# Altium PCB UCM R1.PcbDoc (part 1 of 2)
Units mm, origin at the board's own origin, x right, y up, seen from the top; angles counter-clockwise.
Board outline 92.33 x 59.27 mm, 4 copper layers (Top Layer, (GND), (PWR), Bottom Layer), stack 1.369 mm thick; 150 components, 87 nets, 457 pads, 182 vias.
Unrouted connection lines stored in the file: 20.
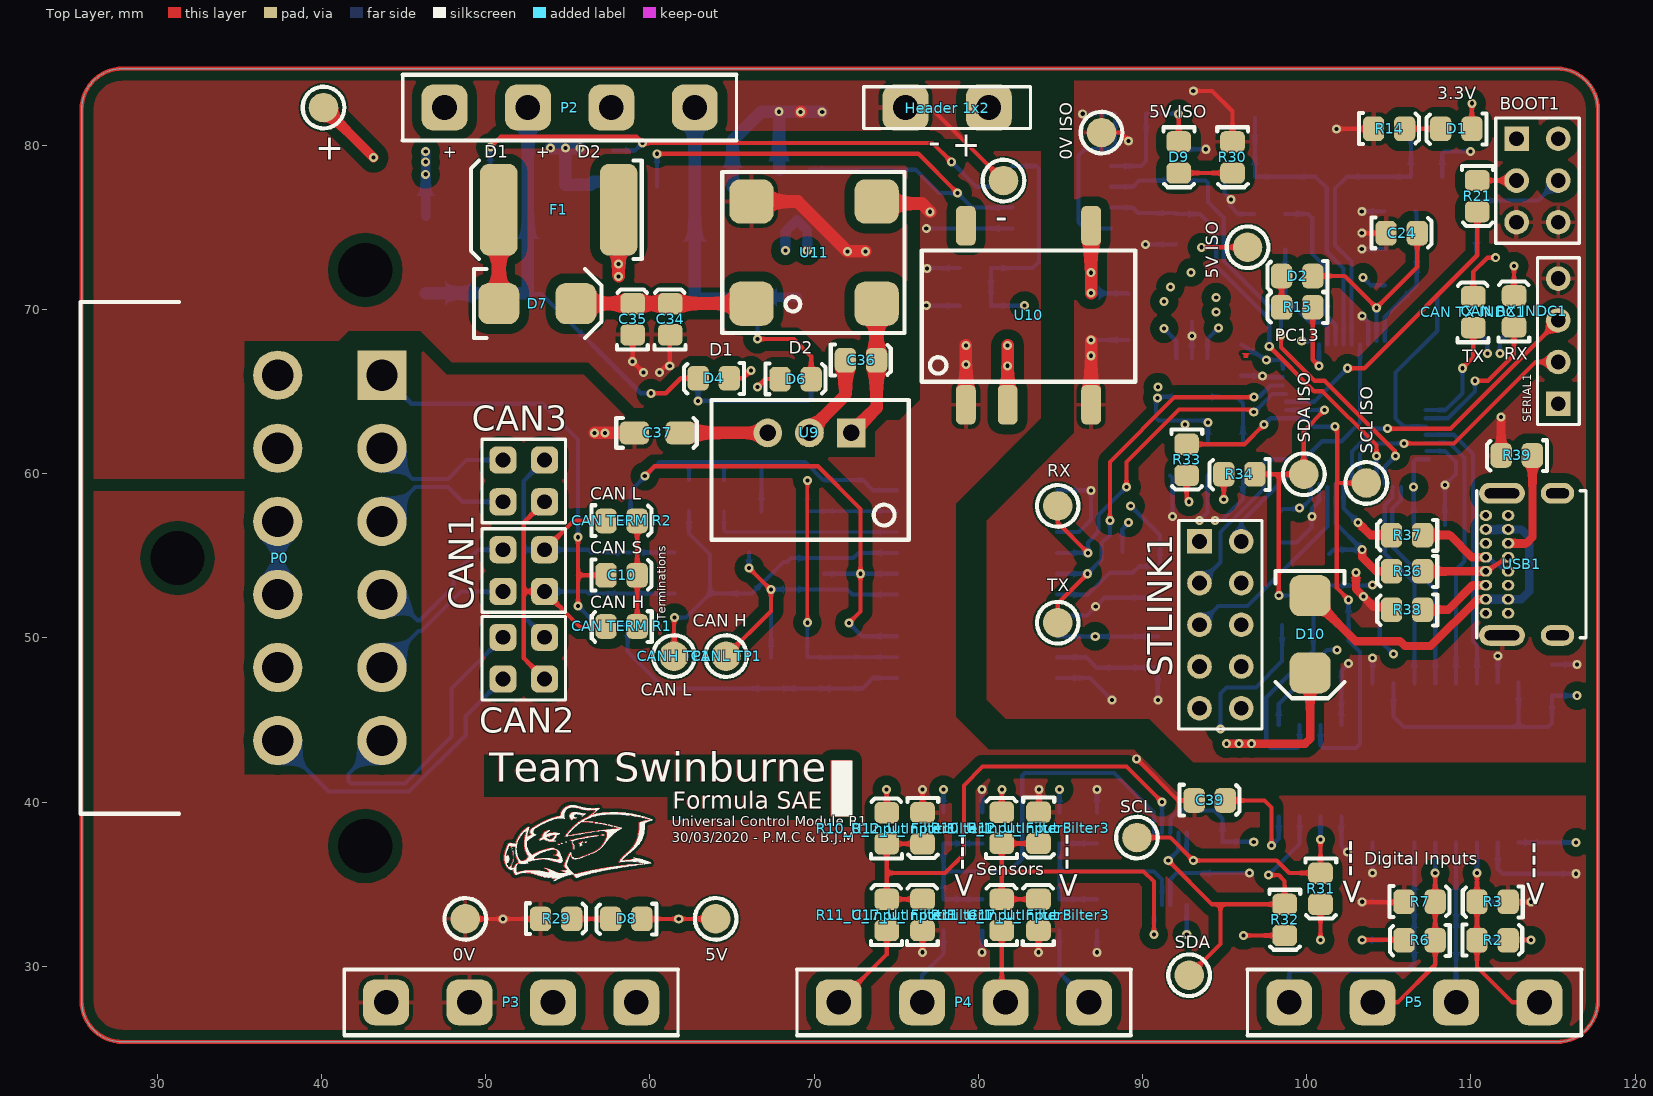
[diagram p0: Top Layer view]
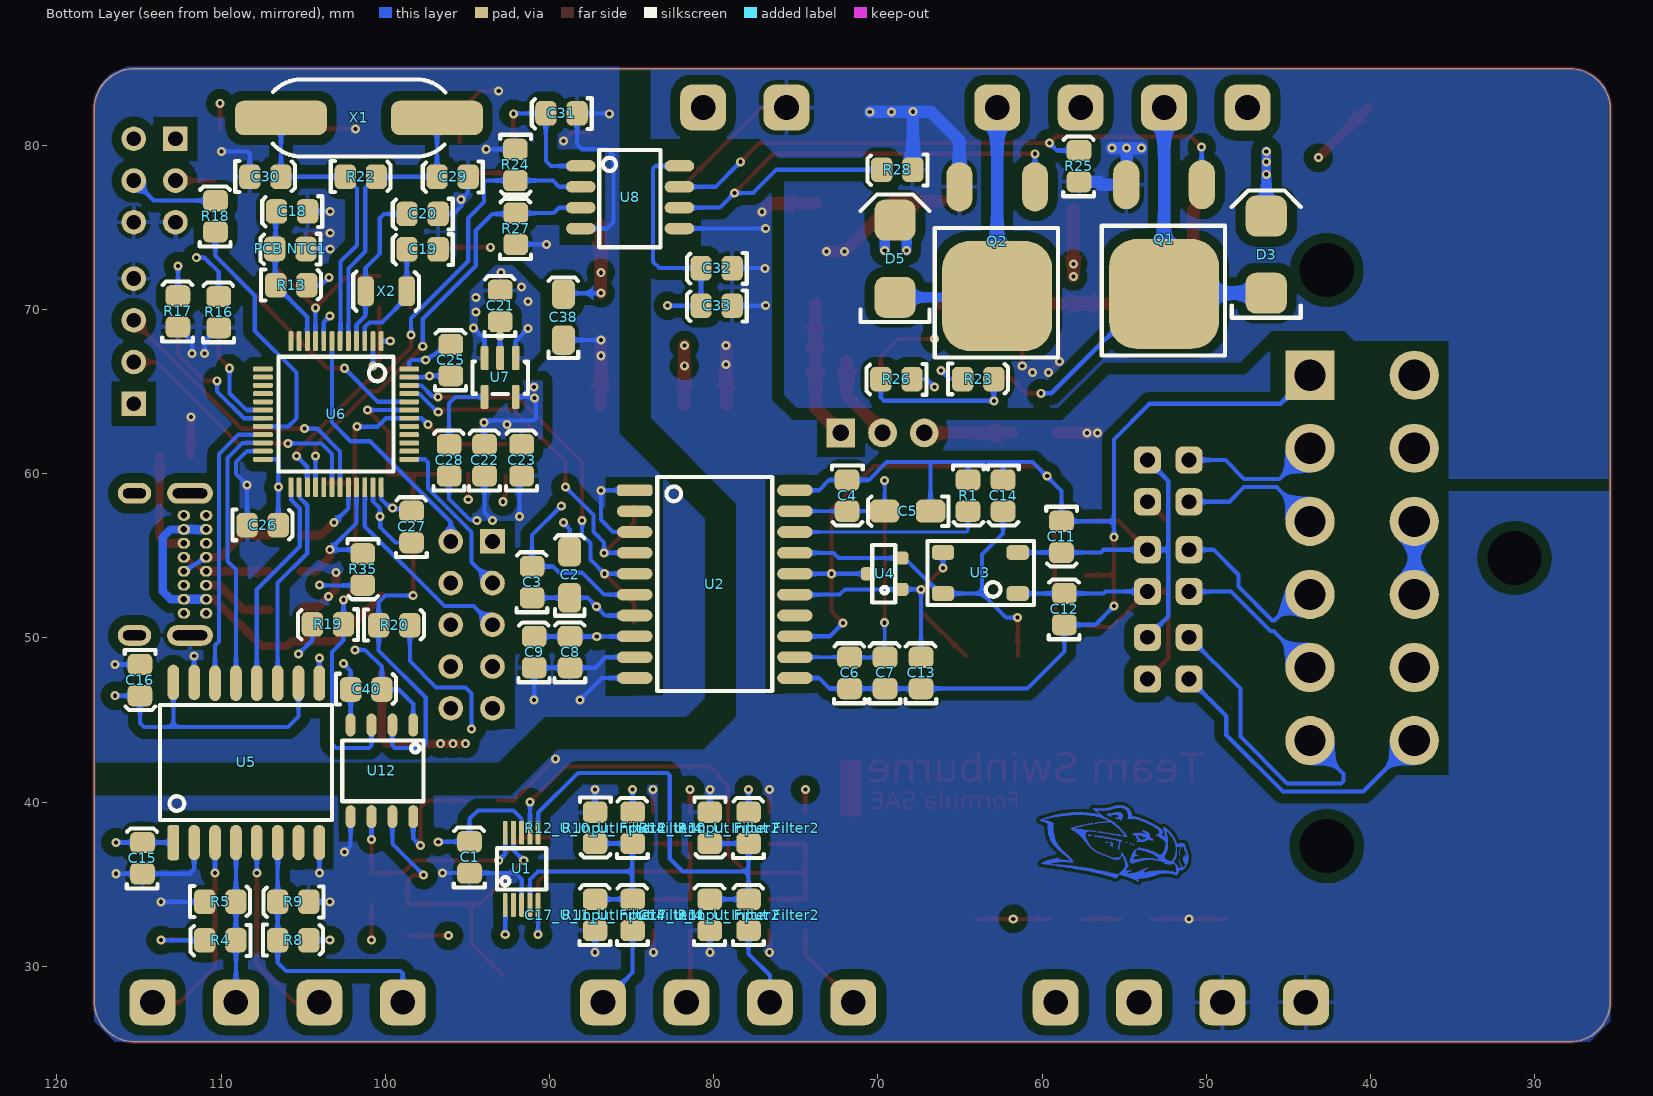
[diagram p1: Bottom Layer view, seen from below]
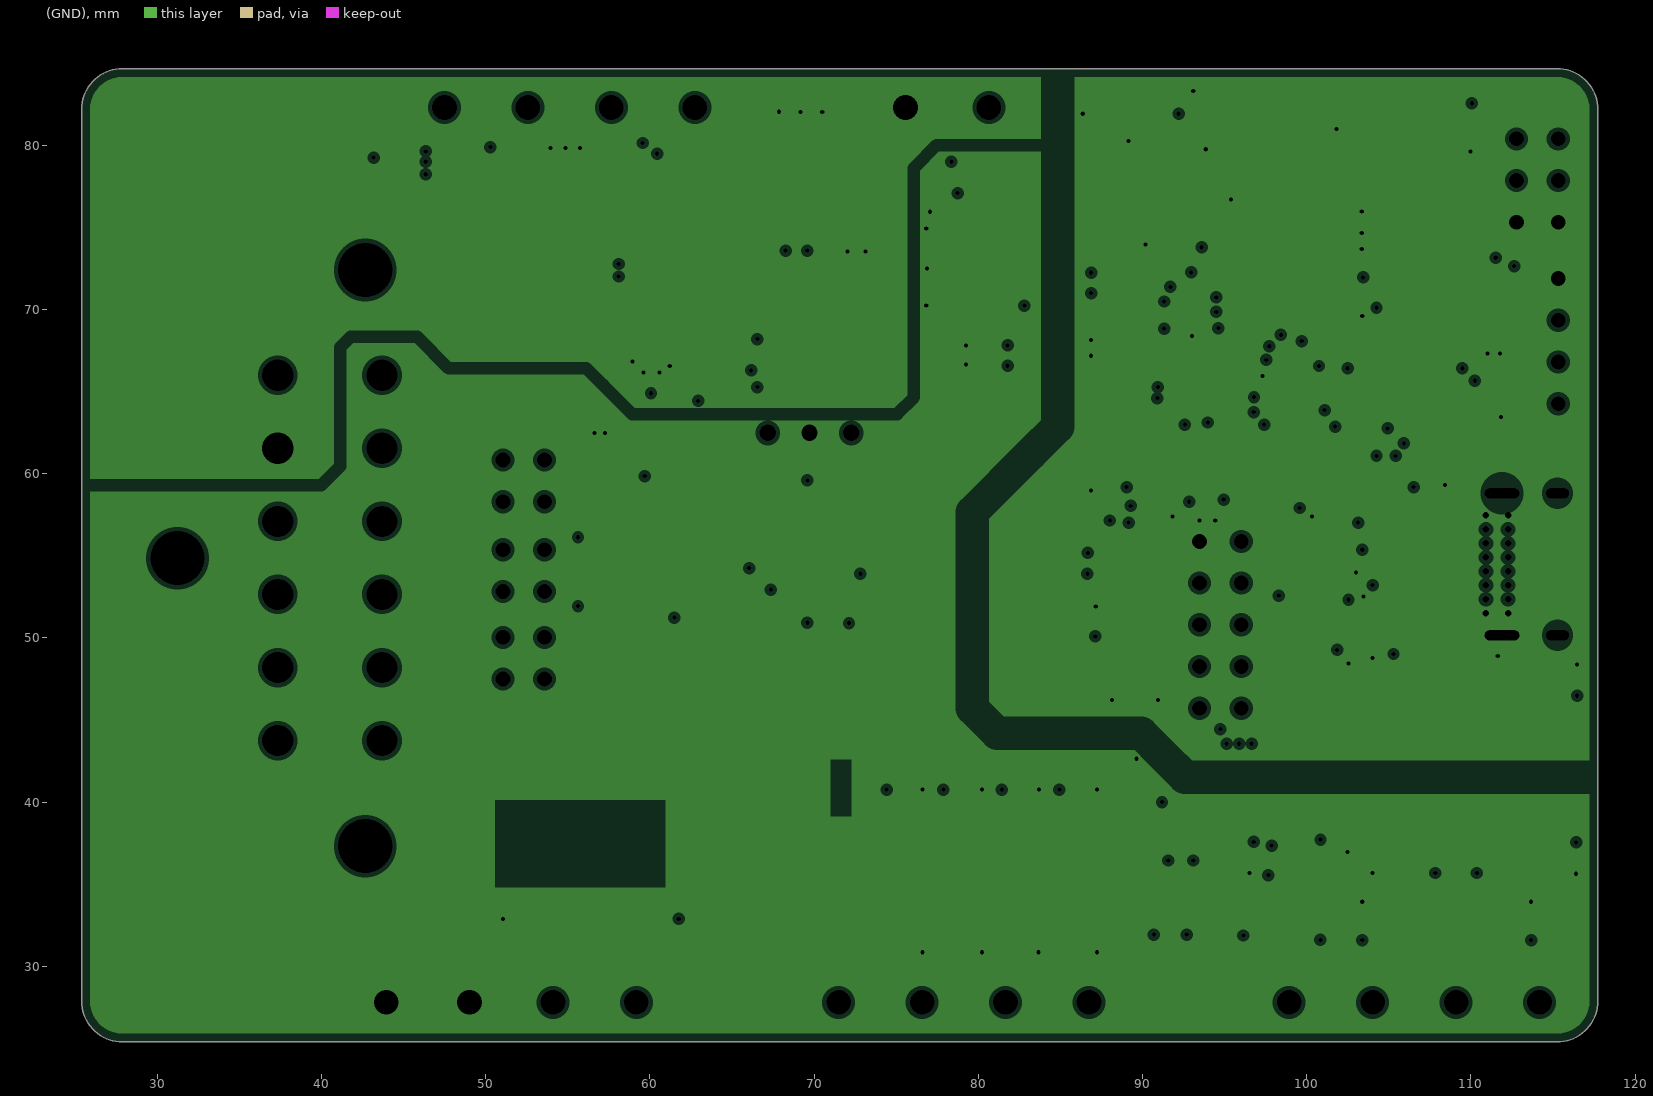
[diagram p2: (GND), clearances drawn from the general rule]
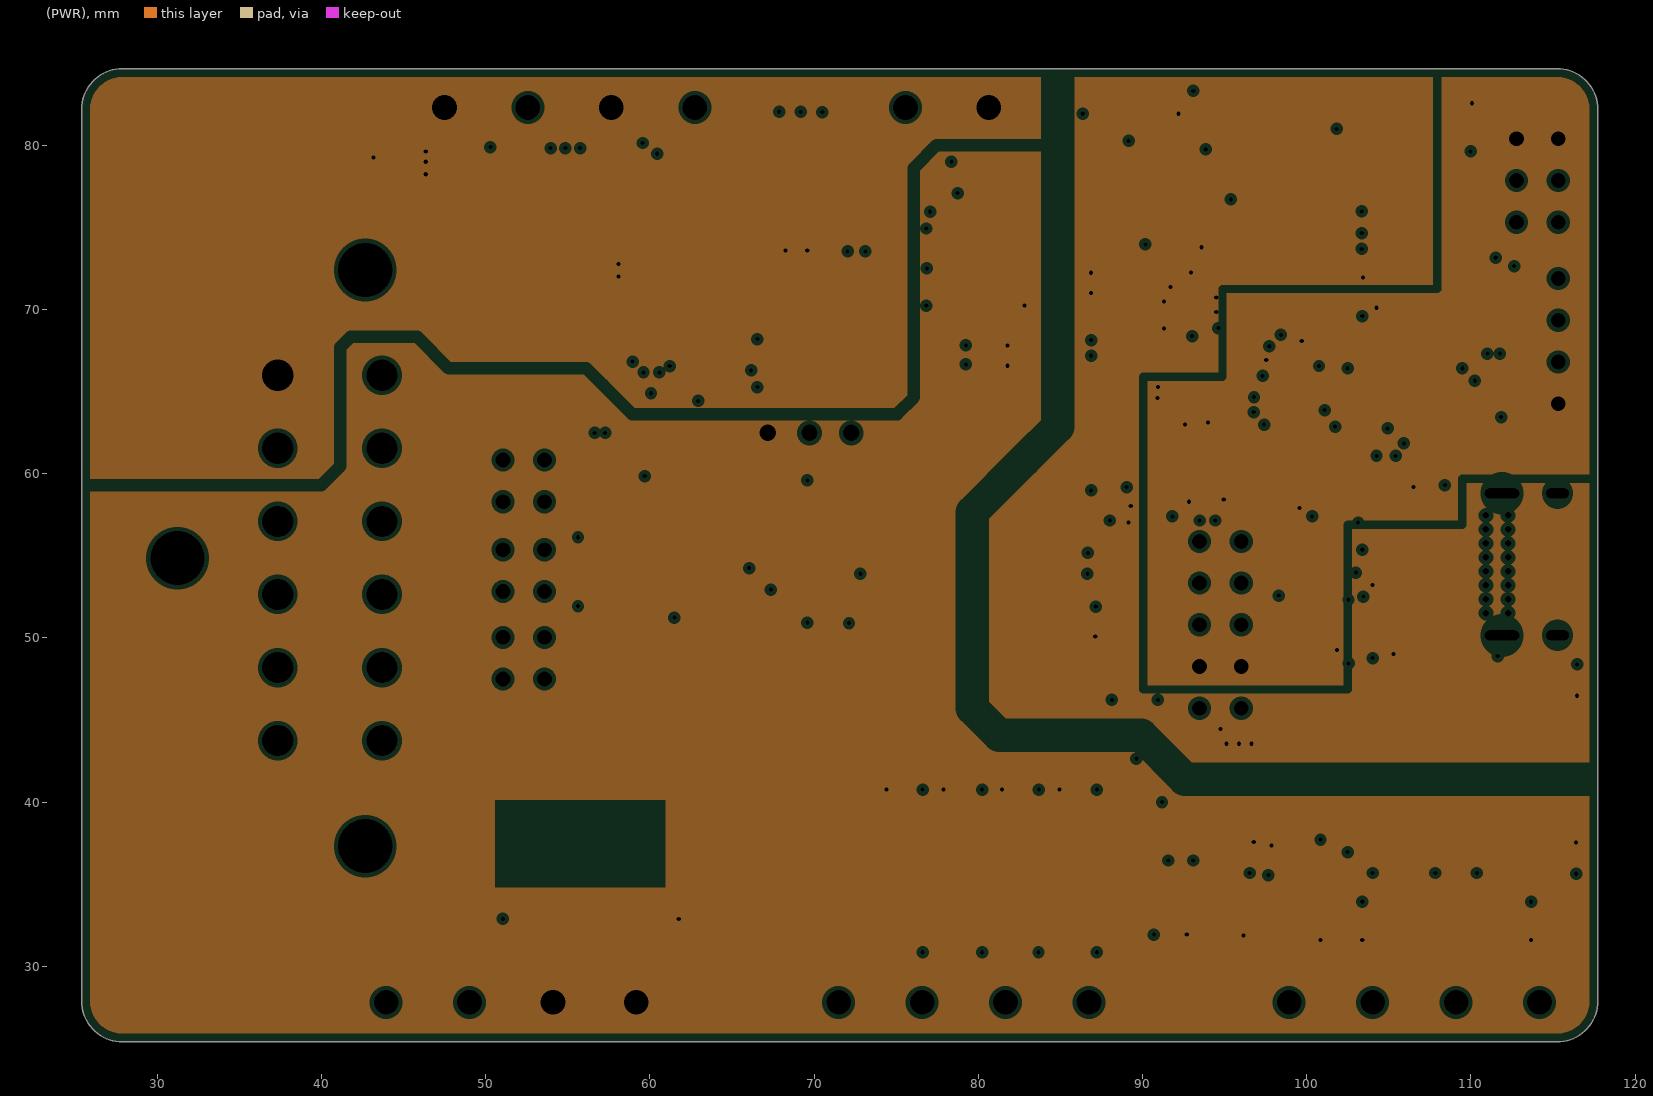
[diagram p3: (PWR), clearances drawn from the general rule]

## Layer stack, top to bottom
Top Solder: solder mask 0.0254, SM-001, Dk 4
Top Layer: signal copper 0.035
Dielectric 1: prepreg 0.1295, PP-017, Dk 4.3
Dielectric 2: prepreg 0.1295, PP-017, Dk 4.3
(GND): plane copper 0.035, net (Multiple Nets)
Dielectric 3: core 0.7112, Core-039, Dk 4.8
(PWR): plane copper 0.035, net (Multiple Nets)
Dielectric 4: prepreg 0.1295, PP-017, Dk 4.3
Dielectric 5: prepreg 0.1295, PP-017, Dk 4.3
Bottom Layer: signal copper 0.035
Bottom Solder: solder mask 0.0254, SM-001, Dk 4

## Board outline
25.4,27.9 25.4,82.169 cw(c27.9,82.169) 27.9,84.669 115.229,84.669 cw(c115.229,82.169) 117.729,82.169 117.729,27.9 cw(c115.229,27.9) 115.229,25.4 27.9,25.4 cw(c27.9,27.9)

## Design rules (kind name [scope] priority, off if disabled: settings)
Clearance [All] p1: gap=0.254 ignorepadtopadclearanceinfootprint=FALSE except(0: Arc-Hole Track-Hole SMDPad-Hole THPad-Hole Via-Hole Fill-Hole Poly-Hole Region-Hole Text-Hole; 0.1: THPad-THPad; 0.152: Arc-SMDPad Track-SMDPad SMDPad-SMDPad; 0.2: Arc-THPad Track-THPad SMDPad-THPad THPad-Via; 0.203: Arc-Arc Arc-Track Arc-Region Track-Track Track-Region SMDPad-Region THPad-Region Via-Region Fill-Region Poly-Region Region-Region; 0.6: Arc-Poly Track-Poly SMDPad-Poly THPad-Poly Via-Poly Fill-Poly Poly-Poly)
Clearance Clearance_CAN [InNet('CANL') or InNet('CANH')] p2: gap=0.5 ignorepadtopadclearanceinfootprint=FALSE except(0.1: Arc-THPad Arc-Hole Track-THPad Track-Hole SMDPad-THPad SMDPad-Hole THPad-THPad THPad-Hole Via-Hole Fill-Hole Poly-Hole Region-Hole Text-Hole; 0.152: Arc-SMDPad Track-SMDPad SMDPad-SMDPad; 0.2: THPad-Via; 0.203: Arc-Arc Arc-Track Track-Track; 0.254: Arc-Via Arc-Text Track-Via Track-Text SMDPad-Via SMDPad-Text THPad-Text Via-Via Via-Text Fill-Text Poly-Text Region-Text Text-Text) // DiffPair
DiffPairsRouting [InDifferentialPair('CANBUS')] p1: maxlimit=0.254 minlimit=0.254 mostfreqgap=0.254 toplayer_minwidth=0.381 toplayer_maxwidth=0.381 toplayer_prefwidth=0.381 bottomlayer_minwidth=0.381 bottomlayer_maxwidth=0.381 bottomlayer_prefwidth=0.381 maxuncoupledlength=12.7
Height [All] p1: minheight=0 maxheight=50 prefheight=12.7
HoleSize [All] p1: absolutevalues=TRUE maxlimit=10 minlimit=0.025 maxpercent=80.000 minpercent=20.000
MatchedLengths [All] p1: tolerance=25.4 checknetsindiffpair=FALSE checkdiffpairvsdiffpair=TRUE checkxsignals=TRUE checkothers=TRUE
PlaneClearance [All] p1: clearance=0.254
PlaneConnect [All] p1: pad.planeconnectstyle=Relief pad.reliefexpansion=0.508 pad.reliefentries=4 pad.reliefconductorwidth=0.8 pad.reliefairgap=0.254 via.planeconnectstyle=Direct via.reliefexpansion=0.508 via.reliefentries=4 via.reliefconductorwidth=0.8 via.reliefairgap=0.254
PolygonConnect [All] p1: thpad.connectstyle=Relief thpad.reliefconductorwidth=0.254 thpad.reliefentries=4 thpad.polygonreliefangle="90 Angle" thpad.airgapwidth=0.254 smdpad.connectstyle=Relief smdpad.reliefconductorwidth=0.254 smdpad.reliefentries=4 smdpad.polygonreliefangle="90 Angle" smdpad.airgapwidth=0.254 via.connectstyle=Direct via.reliefconductorwidth=0.6 via.reliefentries=4 via.polygonreliefangle="90 Angle" via.airgapwidth=0.254
RoutingVias [All] p1: holewidth=0.25 width=0.55 viastyle="Through Hole" minholewidth=0.203 minwidth=0.254 maxholewidth=0.711 maxwidth=1.27
SolderMaskExpansion [All] p1: expansion=0.051 istentingtop=FALSE
Width [All] p1: maxlimit=3 minlimit=0.127 preferedwidth=0.5
25 further rules are at their usual default settings.

## Classes and differential pairs
channel class "Input Filter": "U_Input Filter1" "U_Input Filter2" "U_Input Filter3" "U_Input Filter4"
component class "U_Power Supply": 0V "0V Iso" 5V "5V ISO" + - C34 C35 C36 C37 C38 D7 D8 D9 F1 R29 R30 U9 U10 U11
component class "U_Output Driver": C31 C32 C33 D3 D4 D5 D6 Q1 Q2 R23 R24 R25 R26 R27 R28 U8
component class U_Microcontroller: BOOT1 C18 C19 C20 C21 C22 C23 C24 C25 C26 C27 C28 C29 C30 "CAN RX INDC1" "CAN TX INDC1" D1 D2 D10 "PCB NTC1" R13 R14 R15 R16 R17 R18 R19 R20 R21 R22 R35 R36 R37 R38 R39 SERIAL1 STLINK1 U6 U7 USB1 X1 X2
component class "U_Input Filter4": "C17_U_Input Filter4" "R10_U_Input Filter4" "R11_U_Input Filter4" "R12_U_Input Filter4"
component class "U_Input Filter3": "C17_U_Input Filter3" "R10_U_Input Filter3" "R11_U_Input Filter3" "R12_U_Input Filter3"
component class "U_Input Filter2": "C17_U_Input Filter2" "R10_U_Input Filter2" "R11_U_Input Filter2" "R12_U_Input Filter2"
component class "U_Input Filter1": "C17_U_Input Filter1" "R10_U_Input Filter1" "R11_U_Input Filter1" "R12_U_Input Filter1"
component class "U_Digital Inputs": C15 C16 C39 C40 R2 R3 R4 R5 R6 R7 R8 R9 R31 R32 R33 R34 SCL "SCL ISO" SDA "SDA ISO" U5 U12
component class U_CAN: C2 C3 C4 C5 C6 C7 C8 C9 C10 C11 C12 C13 C14 "CAN TERM R1" "CAN TERM R2" "CANH TP1" "CANL TP1" R1 RX TX U2 U3 U4
component class "U_4 Channel ADC": C1 U1
component class "Top Level": CAN1 CAN2 CAN3 "Header 1x2" P0 P2 P3 P4 P5
differential pair CANBUS2: +CAN2H -CAN2L

## Components (designator, comment, footprint, x,y, rotation, side; value= is the part's Value field where it differs from the comment)
0V "0mm" "SMD Test Point" 48.768,32.893 r90 top
"0V ISO" "0mm" "SMD Test Point" 87.503,80.772 r90 top
5V "0mm" "SMD Test Point" 64.008,32.893 r90 top
"5V ISO" "0mm" "SMD Test Point" 96.397,73.787 r90 top
+ "0mm" "SMD Test Point" 40.132,82.296 r90 top
- "0mm" "SMD Test Point" 81.534,77.851 r90 top
BOOT1 "2.54mm" "TH 2.54mm Header 2x3" 112.776,80.391 r270 top
C1 "100nF" 0805 94.895,36.649 r90 bottom
C2 "10nF" 1206 88.773,55.051 r90 bottom
C3 "100nF" 0805 91.085,53.413 r90 bottom
C4 "100nF" 0805 71.856,58.657 r270 bottom
C5 "10nF" 1206 69.396,57.719 r0 bottom
C6 "10uF" 0805 71.755,47.879 r90 bottom
C7 "100nF" 0805 69.596,47.879 r90 bottom
C8 "10uF" 0805 88.773,49.149 r90 bottom
C9 "100nF" 0805 90.958,49.149 r90 bottom
C10 "22pF" 0805 58.293,53.848 r0 top
C11 "100pF" 0805 58.801,56.143 r270 bottom
C12 "100pF" 0805 58.674,51.767 r90 bottom
C13 "100pF" 0805 67.403,47.879 r90 bottom
C14 "100pF" 0805 62.357,58.657 r270 bottom
C15 "100nF" 0805 114.808,36.604 r90 bottom
C16 "100nF" 0805 114.909,47.42 r270 bottom
"C17_U_Input Filter1" "100nF" 0805 76.581,33.147 r90 top (schematic designator C17)
"C17_U_Input Filter2" "100nF" 0805 80.264,33.147 r90 bottom (schematic designator C17)
"C17_U_Input Filter3" "100nF" 0805 83.641,33.147 r90 top (schematic designator C17)
"C17_U_Input Filter4" "100nF" 0805 87.249,33.147 r90 bottom (schematic designator C17)
C18 "100nF" 0805 105.685,75.946 r0 bottom
C19 "22pF" 0805 97.741,73.634 r0 bottom
C20 "22pF" 0805 97.741,75.793 r0 bottom
C21 "1uF" 0805 93.03,70.231 r90 bottom
C22 "100nF" 0805 93.98,60.833 r90 bottom
C23 "1uF" 0805 91.72,60.833 r90 bottom
C24 "1uF" 0805 105.791,74.676 r0 top
C25 "100nF" 0805 96.033,66.929 r90 bottom
C26 "100nF" 0805 107.449,56.896 r180 bottom
C27 "100nF" 0805 98.425,56.769 r90 bottom
C28 "22uF" 0805 96.139,60.833 r90 bottom
C29 "22pF" 0805 95.912,78.053 r0 bottom
C30 "22pF" 0805 107.288,78.105 r180 bottom
C31 "100nF" 0805 89.281,81.915 r0 bottom
C32 "100nF" 0805 79.834,72.491 r0 bottom
C33 "10uF" 0805 79.834,70.205 r0 bottom
C34 "10uF" 0805 61.214,69.42 r90 top
C35 "10uF" 0805 58.928,69.42 r90 top
C36 "10uF" 0805 72.871,66.929 r0 top
C37 "22uF" 1206 61.655,62.484 r0 top
C38 "22uF" 1206 89.154,70.739 r90 bottom
C39 "100nF" 0805 94.107,40.132 r0 top
C40 "100nF" 0805 101.146,46.889 r180 bottom
CAN1 "2.54mm" "TH 2.54mm Header 2x2" 51.054,55.372 r270 top
CAN2 "2.54mm" "TH 2.54mm Header 2x2" 51.054,50.038 r270 top
CAN3 "2.54mm" "TH 2.54mm Header 2x2" 51.054,60.833 r270 top
"CAN RX INDC1" "Blue" "0805 LED" 112.597,69.898 r90 top
"CAN TERM R1" "56R" 0805 58.269,50.673 r180 top
"CAN TERM R2" "56R" 0805 58.293,57.15 r0 top
"CAN TX INDC1" "Blue" "0805 LED" 110.109,69.85 r90 top
"CANH TP1" "0mm" "SMD Test Point" 61.468,48.895 r90 top
"CANL TP1" "0mm" "SMD Test Point" 64.643,48.895 r90 top
D1 "Red" "0805 LED" 109.093,80.974 r180 top
D2 "Red" "0805 LED" 99.406,72.009 r180 top
D3 "SD560BTR" "SMB Diode" 46.355,71.242 r90 bottom
D4 "Orange" "0805 LED" 63.881,65.786 r180 top
D5 "SD560BTR" "SMB Diode" 68.961,70.993 r90 bottom
D6 "Orange" "0805 LED" 68.888,65.786 r0 top
D7 "SD560BTR" "SMB Diode" 51.054,70.358 r0 top
D8 "Red" "0805 LED" 58.552,32.867 r180 top
D9 "Red" "0805 LED" 92.228,79.248 r270 top
D10 "SD560BTR" "SMB Diode" 100.203,52.324 r270 top
F1 "0ZCF0100AF2A" 2920 58.104,76.073 r180 top
"Header 1x2" "2.54mm" "TH 5.08mm Header 1x2" 80.645,82.296 r180 top
P0 "DT13-12P" DT13-12P 37.342,65.999 r270 top
P2 "2.54mm" "TH 5.08mm Header 1x4" 62.738,82.296 r180 top
P3 "2.54mm" "TH 5.08mm Header 1x4" 43.942,27.813 r0 top
P4 "2.54mm" "TH 5.08mm Header 1x4" 71.501,27.813 r0 top
P5 "2.54mm" "TH 5.08mm Header 1x4" 98.933,27.813 r0 top
"PCB NTC1" "10K (NTC) (B25/85 3430K)" 0805 105.791,73.66 r0 bottom
Q1 "STD70N10F4" "STM TO-252 MOSFET" 54.878,77.597 r180 bottom
Q2 "STD70N10F4" "STM TO-252 MOSFET" 65.038,77.47 r180 bottom
R1 "0R" 0805 64.49,58.657 r270 bottom
R2 "10k" 0805 111.325,31.623 r0 top
R3 "10k" 0805 111.301,33.909 r180 top
R4 "10k" 0805 110.055,31.571 r0 bottom
R5 "10k" 0805 110.031,33.961 r180 bottom
R6 "10k" 0805 106.861,31.571 r180 top
R7 "10k" 0805 106.885,33.961 r0 top
R8 "10k" 0805 105.591,31.623 r180 bottom
R9 "10k" 0805 105.615,33.909 r0 bottom
"R10_U_Input Filter1" "10k" 0805 74.396,38.427 r90 top (schematic designator R10)
"R10_U_Input Filter2" "10k" 0805 77.903,38.451 r90 bottom (schematic designator R10)
"R10_U_Input Filter3" "10k" 0805 81.407,38.451 r90 top (schematic designator R10)
"R10_U_Input Filter4" "10k" 0805 84.963,38.451 r90 bottom (schematic designator R10)
"R11_U_Input Filter1" "1k" 0805 74.396,33.147 r90 top (schematic designator R11)
"R11_U_Input Filter2" "1k" 0805 77.903,33.147 r90 bottom (schematic designator R11)
"R11_U_Input Filter3" "1k" 0805 81.407,33.147 r90 top (schematic designator R11)
"R11_U_Input Filter4" "1k" 0805 84.963,33.147 r90 bottom (schematic designator R11)
"R12_U_Input Filter1" "10k" 0805 76.633,38.403 r270 top (schematic designator R12)
"R12_U_Input Filter2" "10k" 0805 80.212,38.427 r270 bottom (schematic designator R12)
"R12_U_Input Filter3" "10k" 0805 83.693,38.427 r270 top (schematic designator R12)
"R12_U_Input Filter4" "10k" 0805 87.197,38.427 r270 bottom (schematic designator R12)
R13 "10k" 0805 105.709,71.501 r180 bottom
R14 "510R" 0805 105.029,81.026 r0 top
R15 "510R" 0805 99.406,70.104 r180 top
R16 "680R" 0805 110.161,69.85 r90 bottom
R17 "680R" 0805 112.649,69.898 r90 bottom
R18 "10k" 0805 110.363,75.692 r90 bottom
R19 "5.1k" 0805 103.505,50.8 r0 bottom
R20 "5.1k" 0805 99.441,50.8 r180 bottom
R21 "10k" 0805 110.41,76.889 r270 top
R22 "10M" 0805 101.473,78.105 r180 bottom
R23 "1.5k" 0805 63.881,65.786 r180 bottom
R24 "10k" 0805 92.049,78.789 r270 bottom
R25 "20k" 0805 57.785,78.74 r90 bottom
R26 "1.5k" 0805 68.888,65.734 r0 bottom
R27 "10k" 0805 92.075,74.93 r90 bottom
R28 "20k" 0805 68.834,78.486 r0 bottom
R29 "680R" 0805 54.307,32.919 r0 top
R30 "510R" 0805 95.504,79.248 r270 top
R31 "3.3k" 0805 100.864,34.72 r270 top
R32 "3.3k" 0805 98.679,32.82 r270 top
R33 "3.3k" 0805 92.71,60.833 r270 top
R34 "3.3k" 0805 95.885,59.944 r180 top
R35 "1.5k" 0805 101.346,54.156 r270 bottom
R36 "20R" 0805 106.099,54.032 r180 top
R37 "20R" 0805 106.099,56.235 r180 top
R38 "5.1k" 0805 106.099,51.689 r180 top
R39 "5.1k" 0805 112.776,61.087 r180 top
RX "0mm" "SMD Test Point" 84.836,58.039 r90 top
SCL "0mm" "SMD Test Point" 89.662,37.846 r90 top
"SCL ISO" "0mm" "SMD Test Point" 103.632,59.436 r90 top
SDA "0mm" "SMD Test Point" 92.837,29.464 r90 top
"SDA ISO" "0mm" "SMD Test Point" 99.822,59.97 r90 top
SERIAL1 "2.54mm" "TH 2.54mm Header 1x4" 115.316,64.262 r90 top
STLINK1 "2.54mm" "TH 2.54mm Header 2x5" 93.472,55.88 r270 top